# KiCad board ciaa_acc.kicad_pcb (continued)
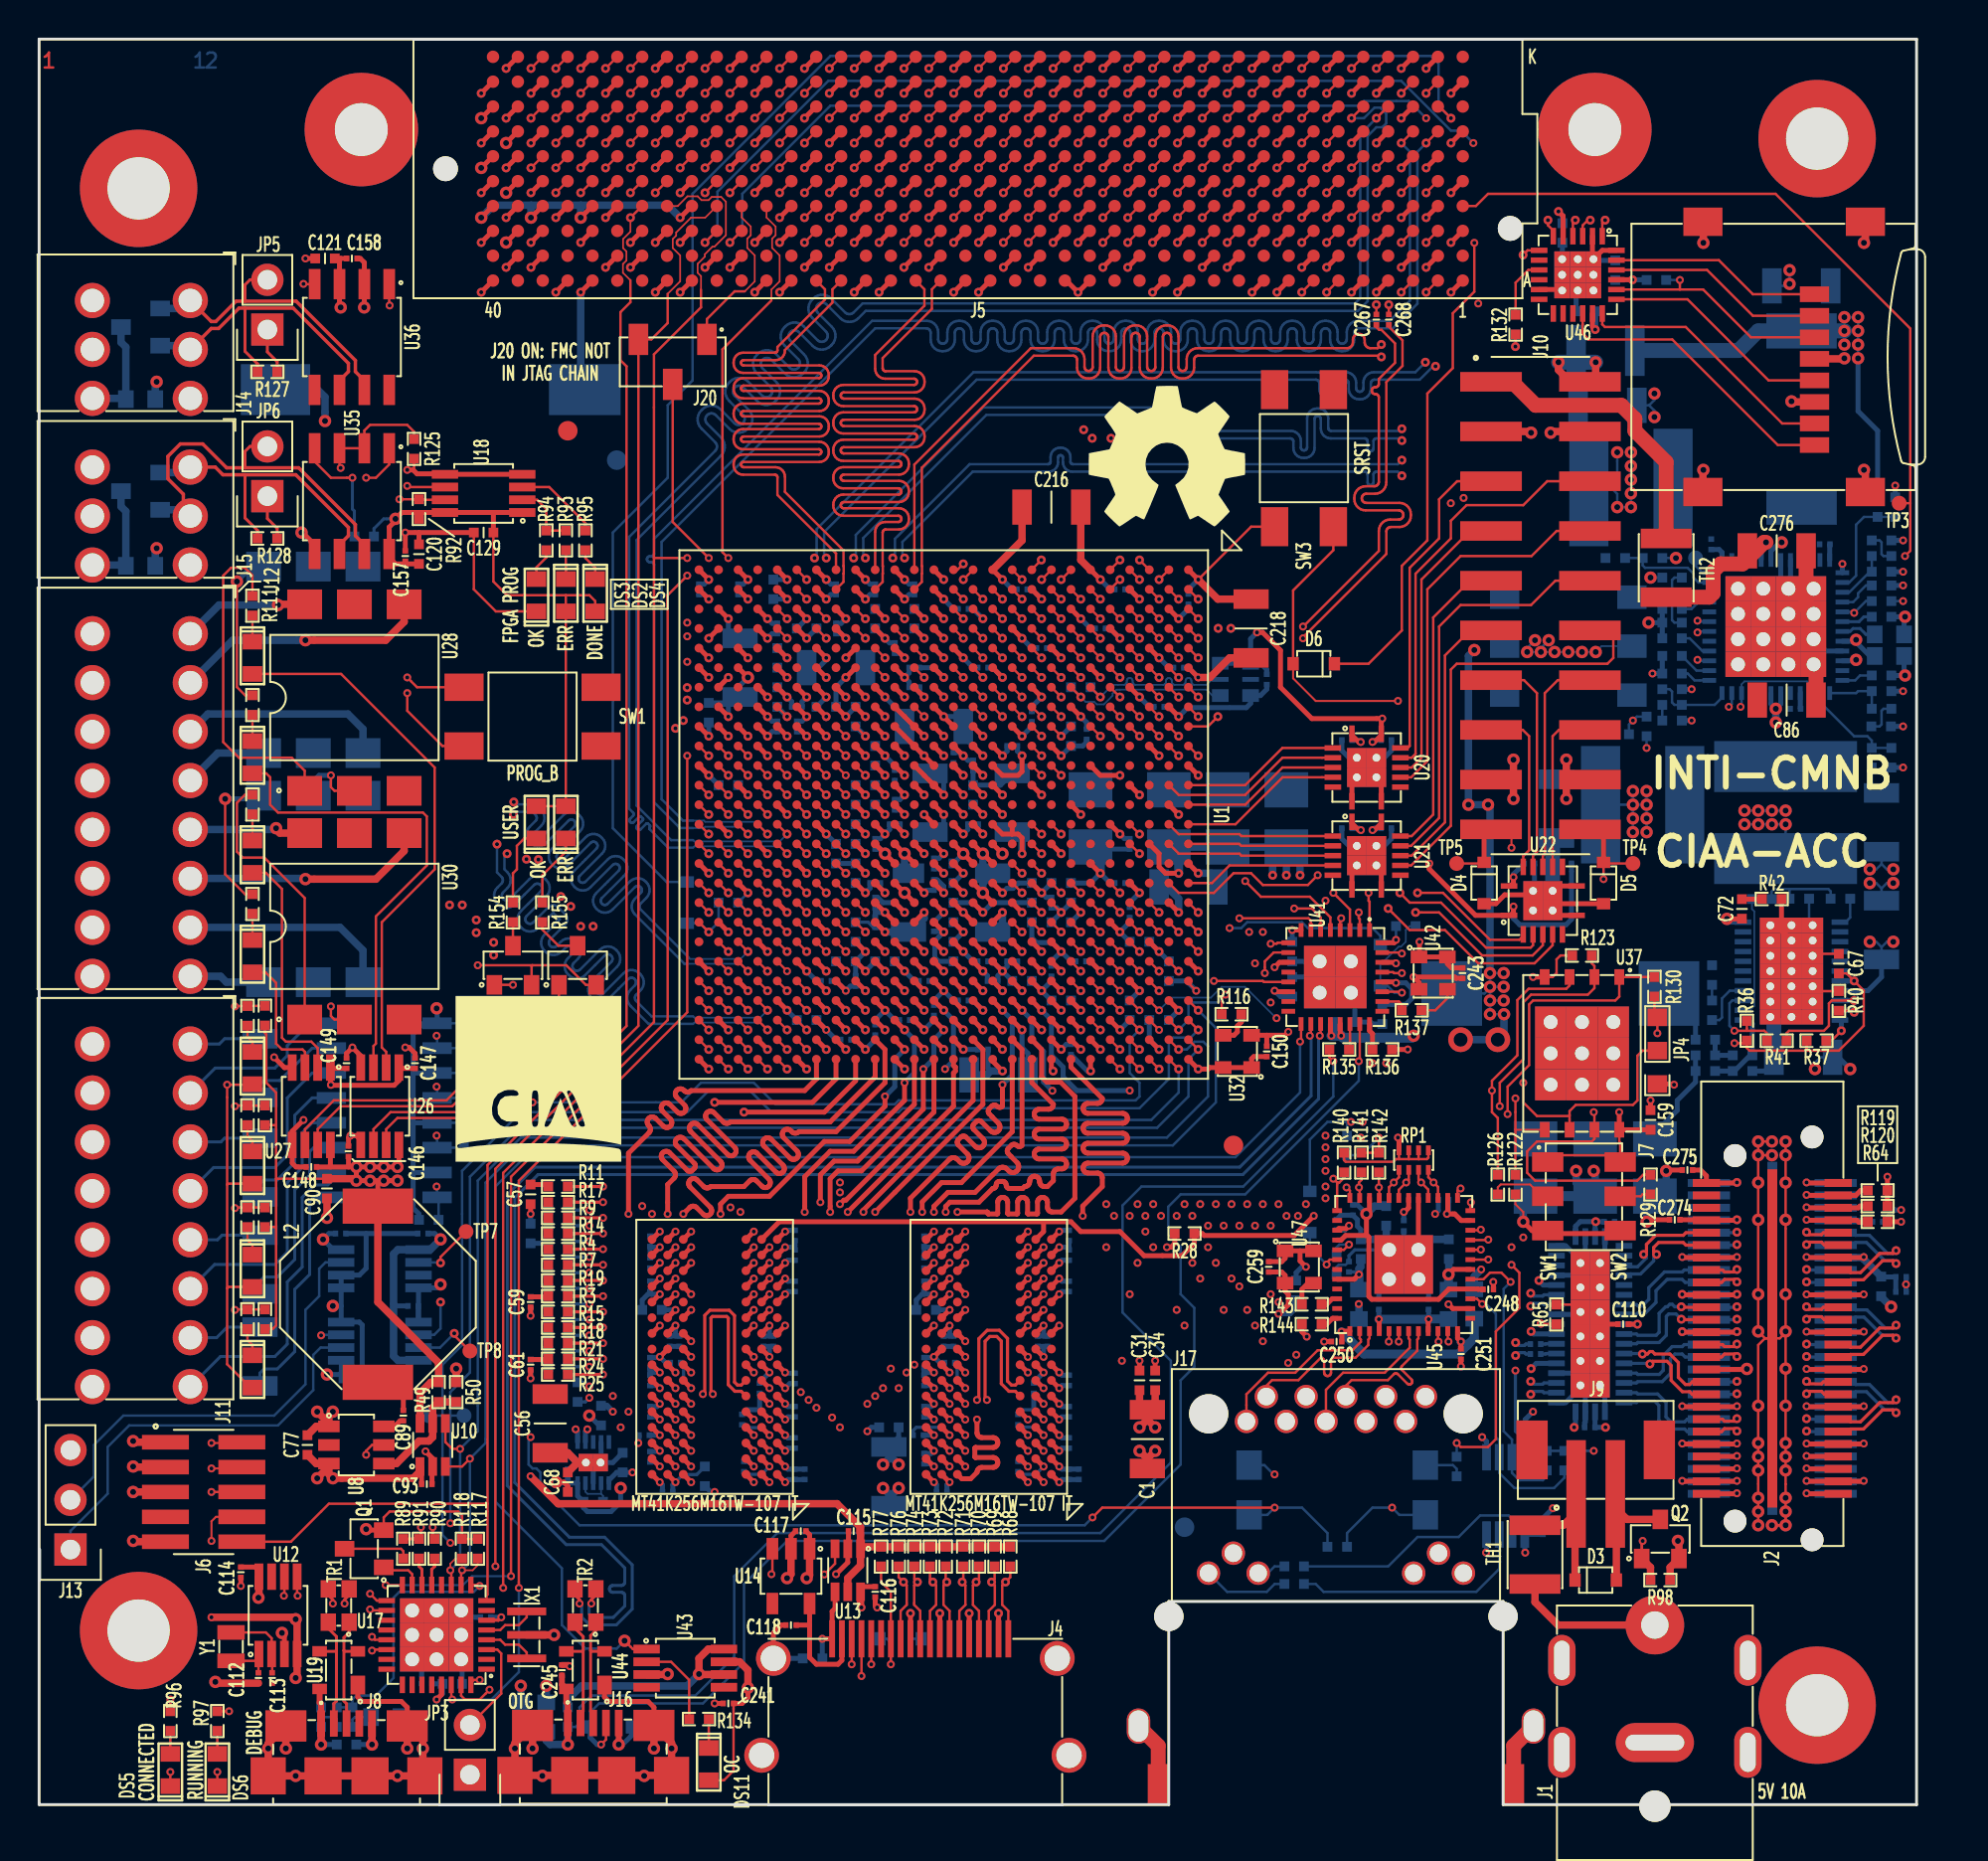
[diagram p0: board, top side]
## Routing (per net, layer and track width the routed paths; a pad name or vN(x,y) marks a point on that pad's centre or on a via; arc(x,y) is an arc through that point) (continued)
  BOT_L12.Sig w0.165: v2(76.18,26.12) 76.33,25.97 76.79,25.97 76.86,26.04 U11.12
/Principal/BANK_112/MGTREFCLK0_P: length 142.5
  TOP_L1.Sig w0.127: U1.U6 v2(43.2,57.57)
  L3.Sig w0.089: 33.1,59.23 33.1,59.23 33.13,59.2 43.17,59.2 43.66,58.7 43.66,58.03 v2(43.2,57.57)
  L3.Sig w0.132: 33.1,59.23 28.72,59.23 23,53.51 22.96,53.48 22.91,53.46 22.86,53.44 22.81,53.44 22.76,53.46 22.72,53.48 22.68,53.51 22.54,53.65 22.45,53.72 22.34,53.77 22.23,53.8 22.11,53.8 22,53.77 21.9,53.72 21.81,53.65 21.64,53.48 21.57,53.39 21.52,53.29 21.49,53.17 21.49,53.06 21.52,52.94 21.57,52.84 21.64,52.75 22.05,52.33 22.05,52.33 22.44,51.94 22.47,51.9 22.49,51.85 22.5,51.8 22.5,51.75 22.49,51.7 22.47,51.65 22.44,51.61 22.32,51.49 22.28,51.46 22.23,51.44 22.18,51.43 22.13,51.43 22.08,51.44 22.03,51.46 21.99,51.49 21.19,52.3 21.1,52.37 20.99,52.42 20.88,52.44 20.76,52.44 20.65,52.42 20.55,52.37 20.45,52.3 20.29,52.13 20.22,52.04 20.17,51.94 20.14,51.82 20.14,51.71 20.17,51.59 20.22,51.49 20.29,51.4 21.09,50.59 21.12,50.55 21.15,50.51 21.16,50.46 21.16,50.41 21.15,50.36 21.12,50.31 21.09,50.27 20.97,50.15 20.93,50.12 20.89,50.1 20.84,50.08 20.78,50.08 20.73,50.1 20.69,50.12 20.65,50.15 19.85,50.95 19.75,51.03 19.65,51.08 19.54,51.1 19.42,51.1 19.31,51.08 19.2,51.03 19.11,50.95 18.95,50.79 18.87,50.7 18.82,50.59 18.8,50.48 18.8,50.36 18.82,50.25 18.87,50.14 18.95,50.05 19.75,49.25 19.78,49.21 19.8,49.16 19.81,49.11 19.81,49.06 19.8,49.01 19.78,48.97 19.75,48.93 19.63,48.81 19.59,48.77 19.54,48.75 19.49,48.74 19.44,48.74 19.39,48.75 19.34,48.77 19.3,48.81 18.5,49.61 18.41,49.68 18.31,49.73 18.19,49.76 18.08,49.76 17.96,49.73 17.86,49.68 17.77,49.61 17.6,49.44 17.53,49.35 17.48,49.25 17.45,49.13 17.45,49.02 17.48,48.9 17.53,48.8 17.6,48.71 17.74,48.57 17.77,48.53 17.79,48.49 17.8,48.44 17.8,48.39 17.79,48.34 17.77,48.29 17.74,48.25 16.64,47.15 16.64,36.94 14.84,35.14 14.84,31.5 18.84,27.5 18.84,21.57 25.18,15.23 56.43,15.23 58.71,17.52 73.7,17.52 74.56,18.38 74.56,25.11 75.08,25.63 76.01,25.63 v2(76.18,25.46)
  BOT_L12.Sig w0.165: v2(76.18,25.46) 76.33,25.6 76.79,25.6 76.86,25.54 U11.11
/Principal/BANK_112/MGTXRX0_N: length 143.6
  TOP_L1.Sig w0.127: U1.AB3 v2(38.2,60.57)
  L3.Sig w0.089: v2(38.2,60.57) 37.82,60.95 33.14,60.95 33.1,60.91
  L3.Sig w0.132: 33.1,60.91 27.81,60.91 14.45,47.56 14.45,46.84 14.44,46.72 14.4,46.61 14.34,46.51 14.25,46.42 14.15,46.36 14.04,46.32 13.92,46.31 13.59,46.31 13.54,46.3 13.49,46.29 13.44,46.26 13.4,46.22 13.38,46.17 13.36,46.12 13.35,46.07 13.36,46.02 13.38,45.97 13.4,45.92 13.44,45.88 13.49,45.85 13.54,45.84 13.59,45.83 15.03,45.83 15.14,45.82 15.26,45.78 15.36,45.72 15.44,45.63 15.5,45.53 15.54,45.42 15.56,45.3 15.56,45.24 15.54,45.12 15.5,45.01 15.44,44.91 15.36,44.82 15.26,44.76 15.14,44.72 15.03,44.71 13.59,44.71 13.54,44.7 13.49,44.69 13.44,44.66 13.4,44.62 13.38,44.57 13.36,44.52 13.35,44.47 13.36,44.42 13.38,44.37 13.4,44.32 13.44,44.28 13.49,44.25 13.54,44.24 13.59,44.23 15.03,44.23 15.14,44.22 15.26,44.18 15.36,44.12 15.44,44.03 15.5,43.93 15.54,43.82 15.56,43.7 15.56,43.64 15.54,43.52 15.5,43.41 15.44,43.31 15.36,43.22 15.26,43.16 15.14,43.12 15.03,43.11 13.59,43.11 13.54,43.1 13.49,43.09 13.44,43.06 13.4,43.02 13.38,42.97 13.36,42.92 13.35,42.87 13.36,42.82 13.38,42.77 13.4,42.72 13.44,42.68 13.49,42.65 13.54,42.64 13.59,42.63 15.03,42.63 15.14,42.62 15.26,42.58 15.36,42.52 15.44,42.43 15.5,42.33 15.54,42.22 15.56,42.1 15.56,42.04 15.54,41.92 15.5,41.81 15.44,41.71 15.36,41.62 15.26,41.56 15.14,41.52 15.03,41.51 14.69,41.51 14.64,41.5 14.59,41.49 14.54,41.46 14.51,41.42 14.48,41.37 14.46,41.32 14.45,41.27 14.45,37.01 12.96,35.52 12.96,29.14 16.76,25.34 16.76,20.34 19.77,17.33 21.5,17.33 24.8,14.03 57.18,14.03 59.34,16.19 70.9,16.19 70.95,16.2 71,16.21 71.04,16.24 71.08,16.28 71.1,16.32 71.12,16.37 71.12,16.42 71.12,16.67 71.13,16.72 71.15,16.76 71.17,16.81 71.21,16.84 71.25,16.87 71.3,16.89 71.35,16.89 71.4,16.89 71.45,16.87 71.49,16.84 71.53,16.81 71.55,16.76 71.57,16.72 71.58,16.67 71.58,16.42 71.58,16.37 71.6,16.32 71.62,16.28 71.66,16.24 71.7,16.21 71.75,16.2 71.8,16.19 71.85,16.2 71.9,16.21 71.94,16.24 71.98,16.28 72,16.32 72.02,16.37 72.03,16.42 72.03,16.67 72.03,16.72 72.05,16.76 72.07,16.81 72.11,16.84 72.15,16.87 72.2,16.89 72.25,16.89 72.3,16.89 72.35,16.87 72.39,16.84 72.43,16.81 72.45,16.76 72.47,16.72 72.47,16.67 72.47,16.42 72.48,16.37 72.5,16.32 72.52,16.28 72.56,16.24 72.6,16.21 72.65,16.2 72.7,16.19 72.75,16.2 72.8,16.21 72.84,16.24 72.88,16.28 72.9,16.32 72.92,16.37 72.92,16.42 72.92,16.67 72.93,16.72 72.95,16.76 72.97,16.81 73.01,16.84 73.05,16.87 73.1,16.89 73.15,16.89 73.2,16.89 73.25,16.87 73.29,16.84 73.33,16.81 73.35,16.76 73.37,16.72 73.38,16.67 73.38,16.42 73.38,16.37 73.4,16.32 73.42,16.28 73.46,16.24 73.5,16.21 73.55,16.2 73.6,16.19 73.65,16.2 73.7,16.21 73.74,16.24 73.78,16.28 73.8,16.32 73.82,16.37 73.83,16.42 73.83,16.67 73.83,16.72 73.85,16.76 73.87,16.81 73.91,16.84 73.95,16.87 74,16.89 74.05,16.89 74.1,16.89 74.15,16.87 74.19,16.84 74.23,16.81 74.25,16.76 74.27,16.72 74.28,16.67 74.28,16.42 74.28,16.37 74.3,16.32 74.32,16.28 74.36,16.24 74.4,16.21 74.45,16.2 74.5,16.19 74.71,16.19 75.38,16.86 75.38,21.21 75.62,21.45 76.01,21.45 v2(76.18,21.62)
  BOT_L12.Sig w0.165: v2(76.18,21.62) 76.33,21.47 76.79,21.47 76.86,21.54 U11.3
/Principal/BANK_112/MGTXRX0_P: length 142.5
  TOP_L1.Sig w0.127: U1.AB4 v2(38.2,59.57)
  L3.Sig w0.089: 33.1,61.23 33.14,61.2 38.25,61.2 38.58,60.86 38.58,59.95 v2(38.2,59.57)
  L3.Sig w0.132: v2(76.18,20.96) 76.01,21.13 75.75,21.13 75.7,21.07 75.7,16.73 74.84,15.87 59.47,15.87 57.32,13.71 24.67,13.71 21.37,17.01 19.63,17.01 16.44,20.2 16.44,25.2 12.64,29 12.64,35.65 14.13,37.14 14.13,41.3 14.14,41.42 14.18,41.53 14.25,41.63 14.33,41.72 14.43,41.78 14.54,41.82 14.66,41.83 14.99,41.83 15.05,41.84 15.1,41.85 15.14,41.88 15.18,41.92 15.21,41.97 15.23,42.02 15.23,42.07 15.23,42.12 15.21,42.17 15.18,42.22 15.14,42.26 15.1,42.29 15.05,42.3 14.99,42.31 13.56,42.31 13.44,42.32 13.33,42.36 13.23,42.42 13.14,42.51 13.08,42.61 13.04,42.72 13.03,42.84 13.03,42.9 13.04,43.02 13.08,43.13 13.14,43.23 13.23,43.32 13.33,43.38 13.44,43.42 13.56,43.43 14.99,43.43 15.05,43.44 15.1,43.45 15.14,43.48 15.18,43.52 15.21,43.57 15.23,43.62 15.23,43.67 15.23,43.72 15.21,43.77 15.18,43.82 15.14,43.86 15.1,43.89 15.05,43.9 14.99,43.91 13.56,43.91 13.44,43.92 13.33,43.96 13.23,44.02 13.14,44.11 13.08,44.21 13.04,44.32 13.03,44.44 13.03,44.5 13.04,44.62 13.08,44.73 13.14,44.83 13.23,44.92 13.33,44.98 13.44,45.02 13.56,45.03 14.99,45.03 15.05,45.04 15.1,45.05 15.14,45.08 15.18,45.12 15.21,45.17 15.23,45.22 15.23,45.27 15.23,45.32 15.21,45.37 15.18,45.42 15.14,45.46 15.1,45.49 15.05,45.5 14.99,45.51 13.56,45.51 13.44,45.52 13.33,45.56 13.23,45.62 13.14,45.71 13.08,45.81 13.04,45.92 13.03,46.04 13.03,46.1 13.04,46.22 13.08,46.33 13.14,46.43 13.23,46.52 13.33,46.58 13.44,46.62 13.56,46.63 13.89,46.63 13.95,46.64 14,46.65 14.04,46.68 14.08,46.72 14.11,46.77 14.13,46.82 14.13,46.87 14.13,47.69 27.67,61.23 33.1,61.23
  BOT_L12.Sig w0.165: v2(76.18,20.96) 76.33,21.1 76.79,21.1 76.86,21.04 U11.2
/Principal/BANK_112/MGTXTX0_N: length 142.5
  TOP_L1.Sig w0.127: U1.AA1 v2(39.2,62.57)
  L3.Sig w0.089: 33.1,62.23 33.14,62.19 38.82,62.19 v2(39.2,62.57)
  L3.Sig w0.132: 33.1,62.23 25.37,62.23 11.04,47.9 11.04,21.8 17.03,15.81 20.67,15.81 24.16,12.31 58.2,12.31 60.11,14.22 75.35,14.22 77.48,16.34 77.48,22.22 76.27,23.43 75.58,23.43 v2(75.41,23.6)
  BOT_L12.Sig w0.165: C108.1 75.94,23.52 75.87,23.45 75.56,23.45 v2(75.41,23.6)
/Principal/BANK_112/MGTXTX0_P: length 142.5
  TOP_L1.Sig w0.127: U1.AA2 v2(39.2,61.57)
  L3.Sig w0.089: 33.1,61.91 33.14,61.95 38.82,61.95 v2(39.2,61.57)
  L3.Sig w0.132: v2(75.41,22.94) 75.58,23.11 76.13,23.11 77.15,22.09 77.15,16.48 75.22,14.54 74.4,14.54 74.35,14.55 74.3,14.56 74.26,14.59 74.22,14.63 74.2,14.67 74.18,14.72 74.17,14.77 74.17,15.04 74.17,15.09 74.15,15.14 74.13,15.18 74.09,15.22 74.05,15.25 74,15.26 73.95,15.27 73.9,15.26 73.85,15.25 73.81,15.22 73.77,15.18 73.75,15.14 73.73,15.09 73.72,15.04 73.72,14.77 73.72,14.72 73.7,14.67 73.68,14.63 73.64,14.59 73.6,14.56 73.55,14.55 73.5,14.54 73.45,14.55 73.4,14.56 73.36,14.59 73.32,14.63 73.3,14.67 73.28,14.72 73.28,14.77 73.28,15.04 73.27,15.09 73.25,15.14 73.23,15.18 73.19,15.22 73.15,15.25 73.1,15.26 73.05,15.27 73,15.26 72.95,15.25 72.91,15.22 72.87,15.18 72.85,15.14 72.83,15.09 72.83,15.04 72.83,14.77 72.82,14.72 72.8,14.67 72.78,14.63 72.74,14.59 72.7,14.56 72.65,14.55 72.6,14.54 59.98,14.54 58.07,12.64 24.3,12.64 20.8,16.13 17.17,16.13 11.36,21.94 11.36,47.77 25.5,61.91 33.1,61.91
  BOT_L12.Sig w0.165: C107.1 75.94,23.02 75.87,23.08 75.56,23.08 v2(75.41,22.94)
/Principal/BANK_500/CAN_N: length 21.8
  TOP_L1.Sig w0.152: 10.51,76.43 10.51,74.23 11.16,73.58 R127.2
  TOP_L1.Sig w0.178: U36.6 15.34,72.73 15.8,73.19 15.8,73.61 12.98,76.43 10.21,76.43 9.17,75.4 8.79,75.4 J14.2
  L3.Sig w0.762: J14.2 J14.2
  BOT_L12.Sig w0.381: J14.2 7.53,74.52 U39.2
/Principal/BANK_500/CAN_P: length 21
  TOP_L1.Sig w0.152: JP5.2 10.77,77.88 10.51,77.62 10.51,76.79
  TOP_L1.Sig w0.178: J14.1 8.79,75.75 9.02,75.75 10.06,76.79 13.13,76.79 16.15,73.76 16.15,73.19 16.61,72.73 U36.7
  L3.Sig w0.762: J14.1 J14.1
  BOT_L12.Sig w0.381: J14.1 7.31,76.42 U39.1
/Principal/BANK_500/ETH_RST: length 21.3
  TOP_L1.Sig w0.127: U1.E23 v2(55.2,40.57)
  L3.Sig w0.107: v2(55.2,40.57) 55.6,40.97 61.3,40.97 67,35.27 v1(67,34.87)
  BOT_L12.Sig w0.127: v1(67,34.87) 66.8,34.87 ; 66.8,34.87 65.8,34.87 64.9,33.97 D9.2 ; 66.8,34.87 R124.1
/Principal/BANK_500/QSPI_CS: length 34.7
  TOP_L1.Sig w0.127: R130.2 U37.1 80.7,41.28 80.5,41.07 76.3,41.07 76.1,40.87 76.1,37.77 75,36.67 v1(75,35.27) ; U1.D26 v2(56.2,37.57)
  L8.Sig w0.107: v2(56.2,37.57) 56.79,38.16 59.49,38.16 59.6,38.27 62,38.27 64.5,35.77 68.2,35.77 68.7,35.27 v1(75,35.27)
/Principal/BANK_500/QSPI_IO0: length 27.8
  TOP_L1.Sig w0.107: U37.5 75.4,34.47
  TOP_L1.Sig w0.127: U1.E25 v2(55.2,38.57) ; R122.1 v1(75.4,36.07)
  L8.Sig w0.107: v1(75.4,36.07) 68.9,36.07 68.4,36.57 64.9,36.57 62.4,39.07 59.8,39.07 59.71,39.16 55.79,39.16 v2(55.2,38.57)
/Principal/BANK_500/QSPI_IO1: length 32.1
  TOP_L1.Sig w0.127: U1.D25 v2(56.2,38.57) ; R123.1 79.3,42.97 79.44,42.84 U37.2 79.44,41.7 79.1,41.37 76.2,41.37 75.8,40.97 75.8,38.07 74.6,36.87 v1(74.6,35.67)
  L8.Sig w0.107: v1(74.6,35.67) 68.8,35.67 68.3,36.17 64.7,36.17 62.2,38.67 59.7,38.67 59.42,38.95 56.58,38.95 v2(56.2,38.57)
/Principal/BANK_500/QSPI_IO2: length 35.3
  TOP_L1.Sig w0.127: U37.3 78.17,41.84 78,41.67 76.08,41.67 75.5,41.09 75.5,38.27 74.2,36.97 v1(74.2,36.47) 74.2,35.37 74.5,35.07 R126.2 ; U1.F24 v2(54.2,39.57)
  L8.Sig w0.107: v2(54.2,39.57) 54.6,39.97 59.8,39.97 60.3,39.47 62.6,39.47 65.1,36.97 68.5,36.97 69,36.47 v1(74.2,36.47)
/Principal/BANK_500/QSPI_IO3: length 37.3
  TOP_L1.Sig w0.127: U1.C26 v2(57.2,37.57) ; R129.1 81.92,32.17 81.62,31.87 76.4,31.87 76,32.27 76,33.37 76.5,33.87 79.3,33.87 79.44,34 U37.7 79.44,35.34 v1(79.4,35.37)
  L8.Sig w0.107: v1(79.4,35.37) 75.9,35.37 75.4,34.87 68.6,34.87 68.1,35.37 64.3,35.37 61.72,37.95 57.58,37.95 v2(57.2,37.57)
/Principal/BANK_500/QSPI_SCK: length 35.6
  TOP_L1.Sig w0.127: U37.6 78.17,35.21 ; 78.17,35.21 78.17,35.42 78.48,35.74 81.4,35.74 81.63,35.97 81.63,38.25 81.89,38.51 JP4.2 ; 78.17,35.21 78.13,35.17 76.5,35.17 75.8,35.87 v1(75.8,36.87) ; U1.F23 v2(54.2,40.57)
  L8.Sig w0.107: v1(75.8,36.87) 69.1,36.87 68.6,37.37 65.3,37.37 62.49,40.18 54.59,40.18 v2(54.2,40.57)
/Principal/BANK_500/RS485_ENA_B: length 52.3
  TOP_L1.Sig w0.127: R125.1 19.15,70.12 18.8,70.47 16.9,70.47 16.61,70.18 U35.2 U35.3 15.34,68.33 v1(15.4,68.27)
  L10.Sig w0.107: v1(15.4,68.27) 15.54,68.13 15.54,25.11 v1(14.4,23.97)
  BOT_L12.Sig w0.127: U33.3 14.42,24 v1(14.4,23.97)
/Principal/BANK_500/RS485_N: length 25.5
  TOP_L1.Sig w0.152: 10.51,68.28 10.51,69.12 10.77,69.37 JP6.2
  TOP_L1.Sig w0.178: U35.7 16.61,64.35 16.15,64.81 16.15,65.38 13.25,68.28 9.57,68.28 8.35,69.5 7.21,69.5 6.58,68.86 6.58,67.72 7.36,66.93 7.36,66.17 J15.2
  L3.Sig w0.762: J15.2 J15.2
  BOT_L12.Sig w0.381: J15.2 7.4,66.13 U40.2
/Principal/BANK_500/RS485_P: length 21.1
  TOP_L1.Sig w0.152: R128.1 11.16,65.07 10.51,65.72 10.51,67.92
  TOP_L1.Sig w0.178: J15.1 8.99,68.31 9.38,67.92 13.11,67.92 15.8,65.23 15.8,64.81 15.34,64.35 U35.6
  L3.Sig w0.762: J15.1 J15.1
  BOT_L12.Sig w0.381: U40.1 7.44,68.03 J15.1
/Principal/BANK_500/UART_485_RX: length 77.3
  TOP_L1.Sig w0.127: v1(16.7,67.77) 17.2,67.77 17.88,68.45 U35.1 ; U1.D24 v2(56.2,39.57)
  L10.Sig w0.107: v1(16.7,67.77) 16.7,39.27 20.1,35.87 v1(25.2,35.87)
  BOT_L12.Sig w0.127: v2(56.2,39.57) 55.7,39.07 55.7,37.37 56.2,36.87 56.2,36.17 56,35.97 43.9,35.97 43.7,35.77 37.6,35.77 36.5,36.87 33.8,36.87 32.8,35.87 v1(25.2,35.87)
/Principal/BANK_500/UART_485_TX: length 83.7
  TOP_L1.Sig w0.127: U35.4 14.07,68.6 14.9,67.77 v1(16,67.77) ; U1.A24 v2(59.2,39.57)
  L10.Sig w0.107: v1(16,67.77) 16,39.37 20,35.37 v1(24.7,35.37)
  BOT_L12.Sig w0.127: v1(24.7,35.37) 33.1,35.37 34.2,36.47 36.3,36.47 37.4,35.37 43.9,35.37 44.1,35.57 56.2,35.57 57.7,37.07 57.7,38.97 57.91,39.18 58.81,39.18 v2(59.2,39.57)
  BOT_L12.Sig w0.152: v1(16,67.77) 16,66.17 16.1,66.07 R121.2
/Principal/BANK_500/UART_EMIO_RX_B: length 22.8
  BOT_L12.Sig w0.127: J13.2 2.8,16.77 2.8,18.37 4.3,19.87 12,19.87 13.6,21.47 13.6,25.27 14.3,25.97 14.3,27.37 14.62,27.7 U34.7
/Principal/BANK_500/UART_EMIO_TX_B: length 21.1
  BOT_L12.Sig w0.127: J13.1 1.6,13.98 3.5,15.88 3.5,18.27 4.6,19.37 12.2,19.37 14,21.17 14,22.97 14.38,23.34 U33.2
/Principal/BANK_500/USB_RST: length 24.6
  TOP_L1.Sig w0.127: U1.E26 v2(55.2,37.57)
  L8.Sig w0.107: v2(55.2,37.57) U1.E26 54.7,38.77 54.4,39.07 54,39.07 53.7,39.37 53.7,44.64 54.13,45.07 60.5,45.07 v1(60.8,44.77)
  BOT_L12.Sig w0.127: v1(60.8,44.77) 61.4,44.77 61.7,45.07 64.5,45.07 64.8,44.77 68.1,44.77 68.5,44.37 D7.2
/Principal/BANK_501/CHS_OTG: length 20.5
  TOP_L1.Sig w0.254: U44.1 28.88,5.5 29.1,5.27 31.1,5.27 31.4,4.97 J16.6
  TOP_L1.Sig w0.381: v3(25.2,2.87) J16.6 24.3,3.14 v3(24.3,2.87) J16.6 25.67,1.5 v3(25.7,1.47) 25.73,1.5 J16.6 J16.6 30.87,1.5 v3(30.9,1.47) 30.92,1.5 J16.6 v3(32.3,2.87) 32.3,3.14 J16.6 v3(31.4,2.87)
/Principal/BANK_501/ETH_LED1: length 14.8
  TOP_L1.Sig w0.127: v1(75.16,26.7) 74.68,27.17 74.1,27.17 73.77,26.84 U45.17
  BOT_L12.Sig w0.127: R148.1 77,16.77 76.8,16.57 75.6,16.57 75.22,16.94 75.22,18.64 74.8,19.07 74.8,26.34 v1(75.16,26.7)
/Principal/BANK_501/ETH_LED2: length 14.1
  TOP_L1.Sig w0.127: v1(73.7,25.57) 73.43,25.84 U45.15
  BOT_L12.Sig w0.127: v1(73.7,25.57) 73.9,25.57 74.4,25.07 74.4,18.77 74.58,18.59 74.58,16.94 75.35,16.17 77.38,16.17 77.9,16.69 R147.1
/Principal/BANK_501/ETH_LEDM: length 1.8
  TOP_L1.Sig w0.127: v1(66.9,28.6) 66.64,28.34 66.3,28.34
  BOT_L12.Sig w0.127: v1(66.9,28.6) 66.41,28.6 66.27,28.46 R146.1
/Principal/BANK_501/ETH_MDC: length 17.6
  TOP_L1.Sig w0.127: v1(66.77,31.52) 66.78,31.52 66.94,31.36 U45.36 ; U1.A20 v2(59.2,43.57)
  L10.Sig w0.107: v1(66.77,31.52) 66.7,31.6 66.7,34.17 65.8,35.07 64.3,35.07 61.82,37.55 61.82,41.35 59.6,43.57 v2(59.2,43.57)
/Principal/BANK_501/ETH_MDIO: length 20.3
  TOP_L1.Sig w0.127: U1.A19 v2(59.2,44.57) ; 66.3,31.78 66.3,30.34 ; 66.3,31.78 66.41,31.78 66.65,32.02 R140.2 ; 66.3,31.78 v1(66.1,31.97)
  L10.Sig w0.107: v1(66.1,31.97) 66.1,34.37 65.8,34.67 64.2,34.67 61.5,37.37 61.5,41.17 59.72,42.95 59.02,42.95 58.8,43.17 58.8,44.17 v2(59.2,44.57)
/Principal/BANK_501/ETH_RX0: length 38.2
  TOP_L1.Sig w0.127: RP1.5 69.45,32.04 v1(69.19,31.78) 68.94,31.54 U45.32 ; U1.F20 v2(54.2,43.57)
  L5.Sig w0.107: v1(65.7,32.97) 65.9,32.77 68.3,32.77 69.19,31.88 v1(69.19,31.78)
  L10.Sig w0.107: v1(65.7,32.97) 64.85,32.97 64.82,32.97 64.8,32.98 64.77,33 64.75,33.02 64.74,33.04 64.73,33.07 64.72,33.09 64.72,33.19 64.72,33.21 64.71,33.24 64.7,33.26 64.68,33.28 64.65,33.3 64.63,33.31 64.6,33.31 64.57,33.31 64.55,33.3 64.52,33.28 64.5,33.26 64.49,33.24 64.48,33.21 64.47,33.19 64.47,32.75 64.47,32.73 64.46,32.7 64.45,32.68 64.43,32.66 64.4,32.64 64.38,32.63 64.35,32.63 64.32,32.63 64.3,32.64 64.27,32.66 64.25,32.68 64.24,32.7 64.23,32.73 64.22,32.75 64.22,33.19 64.22,33.21 64.21,33.24 64.2,33.26 64.18,33.28 64.15,33.3 64.13,33.31 64.1,33.31 64.07,33.31 64.05,33.3 64.02,33.28 64,33.26 63.99,33.24 63.98,33.21 63.97,33.19 63.97,32.75 63.97,32.73 63.96,32.7 63.95,32.68 63.93,32.66 63.9,32.64 63.88,32.63 63.85,32.63 63.82,32.63 63.8,32.64 63.77,32.66 63.75,32.68 63.74,32.7 63.73,32.73 63.72,32.75 63.72,33.19 63.72,33.21 63.71,33.24 63.7,33.26 63.68,33.28 63.65,33.3 63.63,33.31 63.6,33.31 63.57,33.31 63.55,33.3 63.52,33.28 63.5,33.26 63.49,33.24 63.48,33.21 63.47,33.19 63.47,32.75 63.47,32.73 63.46,32.7 63.45,32.68 63.43,32.66 63.4,32.64 63.38,32.63 63.35,32.63 63.32,32.63 63.3,32.64 63.27,32.66 63.25,32.68 63.24,32.7 63.23,32.73 63.22,32.75 63.22,33.19 63.22,33.21 63.21,33.24 63.2,33.26 63.18,33.28 63.15,33.3 63.13,33.31 63.1,33.31 63.07,33.31 63.05,33.3 63.02,33.28 63,33.26 62.99,33.24 62.98,33.21 62.97,33.19 62.97,32.75 62.97,32.73 62.96,32.7 62.95,32.68 62.93,32.66 62.9,32.64 62.88,32.63 62.85,32.63 62.82,32.63 62.8,32.64 62.77,32.66 62.75,32.68 62.74,32.7 62.73,32.73 62.72,32.75 62.72,33.19 62.72,33.21 62.71,33.24 62.7,33.26 62.68,33.28 62.65,33.3 62.63,33.31 62.6,33.31 62.57,33.31 62.55,33.3 62.52,33.28 62.5,33.26 62.49,33.24 62.48,33.21 62.47,33.19 62.47,32.75 62.47,32.73 62.46,32.7 62.45,32.68 62.43,32.66 62.4,32.64 62.38,32.63 62.35,32.63 62.32,32.63 62.3,32.64 62.27,32.66 62.25,32.68 62.24,32.7 62.23,32.73 62.22,32.75 62.22,32.84 62.22,32.87 62.21,32.9 62.2,32.92 62.18,32.94 62.15,32.96 62.13,32.97 62.1,32.97 62,32.97 61.79,33.18 61.76,33.2 61.74,33.21 61.71,33.22 61.68,33.22 61.66,33.21 61.63,33.2 61.61,33.18 61.4,32.98 61.38,32.96 61.36,32.95 61.33,32.94 61.3,32.94 61.27,32.95 61.25,32.96 61.23,32.98 61.21,33 61.2,33.03 61.19,33.05 61.19,33.08 61.2,33.11 61.21,33.13 61.23,33.16 61.81,33.74 61.83,33.76 61.84,33.79 61.85,33.82 61.85,33.85 61.84,33.87 61.83,33.9 61.81,33.92 61.79,33.94 61.77,33.95 61.74,33.96 61.71,33.96 61.68,33.95 61.66,33.94 61.64,33.92 61.05,33.33 61.03,33.31 61,33.3 60.98,33.3 60.95,33.3 60.92,33.3 60.9,33.31 60.87,33.33 60.86,33.35 60.84,33.38 60.84,33.41 60.84,33.43 60.84,33.46 60.86,33.49 60.87,33.51 61.46,34.1 61.48,34.12 61.49,34.14 61.5,34.17 61.5,34.2 61.49,34.23 61.48,34.25 61.46,34.27 61.44,34.29 61.41,34.3 61.39,34.31 61.36,34.31 61.33,34.3 61.31,34.29 61.28,34.27 61.08,34.07 61.06,34.05 61.03,34.04 61,34.03 60.98,34.03 60.95,34.04 60.92,34.05 60.9,34.07 60.88,34.09 60.87,34.12 60.87,34.14 60.87,34.17 60.87,34.2 60.88,34.22 60.9,34.24 61.11,34.45 61.12,34.47 61.14,34.5 61.14,34.52 61.14,34.55 61.14,34.58 61.12,34.6 61.11,34.63 61.09,34.64 61.06,34.66 61.03,34.66 61,34.66 60.98,34.66 60.95,34.64 60.93,34.63 60.64,34.33 60.63,34.34 60.58,34.29 60.57,34.28 60.56,34.27 60.54,34.27 60.53,34.27 60.51,34.27 60.5,34.28 60.48,34.29 60.41,34.36 60.4,34.38 60.39,34.39 60.39,34.41 60.39,34.42 60.39,34.44 60.4,34.45 60.42,34.48 60.42,34.49 60.43,34.51 60.43,34.52 60.42,34.54 60.42,34.55 60.39,34.58 60.38,34.61 60.37,34.64 60.37,34.67 60.38,34.69 60.39,34.72 60.41,34.74 60.61,34.94 60.63,34.97 60.64,34.99 60.65,35.02 60.65,35.05 60.64,35.07 60.63,35.1 60.61,35.12 60.59,35.14 60.57,35.15 60.54,35.16 60.51,35.16 60.48,35.15 60.46,35.14 60.44,35.12 60.23,34.92 60.21,34.9 60.18,34.89 60.16,34.88 60.13,34.88 60.1,34.89 60.08,34.9 60.05,34.92 60.04,34.94 60.02,34.96 60.02,34.99 60.02,35.02 60.02,35.05 60.04,35.07 60.05,35.09 60.26,35.3 60.28,35.32 60.29,35.35 60.29,35.37 60.29,35.4 60.29,35.43 60.28,35.45 60.26,35.48 60.24,35.49 60.21,35.5 60.18,35.51 60.16,35.51 60.13,35.5 60.1,35.49 60.08,35.48 59.88,35.27 59.85,35.25 59.83,35.24 59.8,35.23 59.77,35.23 59.75,35.24 59.72,35.25 59.7,35.27 59.7,39.67 59.3,40.07 59.1,40.07 58.6,40.57 58.6,40.77 57.3,42.07 57.13,42.07 56.7,42.5 56.7,43.64 56.38,43.95 54.58,43.95 v2(54.2,43.57)
/Principal/BANK_501/ETH_RX1: length 38.1
  TOP_L1.Sig w0.127: RP1.6 69.95,31.91 v1(69.82,31.78) 69.44,31.4 U45.31 ; U1.J19 v2(51.2,44.57)
  L5.Sig w0.107: v1(69.82,31.78) 68.43,33.17 66.1,33.17 v1(65.7,33.57)
  L10.Sig w0.107: v1(65.7,33.57) 65.4,33.57 65.37,33.57 65.35,33.58 65.32,33.6 65.3,33.62 65.29,33.64 65.28,33.67 65.28,33.7 65.28,33.78 65.27,33.81 65.26,33.83 65.25,33.86 65.23,33.88 65.2,33.89 65.18,33.9 65.15,33.9 65.12,33.9 65.1,33.89 65.07,33.88 65.05,33.86 65.04,33.83 65.03,33.81 65.03,33.78 65.03,33.52 65.02,33.51 65.02,33.5 65.01,33.49 65.01,33.48 65,33.47 64.99,33.47 64.97,33.47 64.83,33.47 64.81,33.47 64.8,33.47 64.79,33.48 64.79,33.49 64.78,33.5 64.78,33.51 64.78,33.52 64.78,33.78 64.77,33.81 64.76,33.83 64.75,33.86 64.73,33.88 64.7,33.89 64.68,33.9 64.65,33.9 64.62,33.9 64.6,33.89 64.57,33.88 64.55,33.86 64.54,33.83 64.53,33.81 64.53,33.78 64.53,33.7 64.52,33.67 64.51,33.64 64.5,33.62 64.48,33.6 64.45,33.58 64.43,33.57 64.4,33.57 64.37,33.57 64.35,33.58 64.32,33.6 64.3,33.62 64.29,33.64 64.28,33.67 64.28,33.7 64.28,33.78 64.27,33.81 64.26,33.83 64.25,33.86 64.23,33.88 64.2,33.89 64.18,33.9 64.15,33.9 64.12,33.9 64.1,33.89 64.07,33.88 64.05,33.86 64.04,33.83 64.03,33.81 64.03,33.78 64.03,33.7 64.02,33.67 64.01,33.64 64,33.62 63.98,33.6 63.95,33.58 63.93,33.57 63.9,33.57 63.87,33.57 63.85,33.58 63.82,33.6 63.8,33.62 63.79,33.64 63.78,33.67 63.78,33.7 63.78,33.78 63.77,33.81 63.76,33.83 63.75,33.86 63.73,33.88 63.7,33.89 63.68,33.9 63.65,33.9 63.62,33.9 63.6,33.89 63.57,33.88 63.55,33.86 63.54,33.83 63.53,33.81 63.53,33.78 63.53,33.7 63.52,33.67 63.51,33.64 63.5,33.62 63.48,33.6 63.45,33.58 63.43,33.57 63.4,33.57 63.37,33.57 63.35,33.58 63.32,33.6 63.3,33.62 63.29,33.64 63.28,33.67 63.28,33.7 63.28,33.78 63.27,33.81 63.26,33.83 63.25,33.86 63.23,33.88 63.2,33.89 63.18,33.9 63.15,33.9 63.12,33.9 63.1,33.89 63.07,33.88 63.05,33.86 63.04,33.83 63.03,33.81 63.03,33.78 63.03,33.7 63.02,33.67 63.01,33.64 63,33.62 62.98,33.6 62.95,33.58 62.93,33.57 62.9,33.57 62.5,33.57 62.48,33.59 62.45,33.6 62.43,33.61 62.4,33.61 62.37,33.6 62.35,33.59 62.32,33.57 62.12,33.37 62.1,33.35 62.08,33.34 62.05,33.33 62.02,33.33 61.99,33.34 61.97,33.35 61.95,33.37 61.93,33.39 61.92,33.42 61.91,33.44 61.91,33.47 61.92,33.5 61.93,33.53 61.95,33.55 62.52,34.12 62.54,34.15 62.55,34.17 62.56,34.2 62.56,34.23 62.55,34.25 62.54,34.28 62.52,34.3 62.5,34.32 62.48,34.33 62.45,34.34 62.42,34.34 62.39,34.33 62.37,34.32 62.35,34.3 62.15,34.1 62.12,34.08 62.1,34.07 62.07,34.06 62.04,34.06 62.02,34.07 61.99,34.08 61.97,34.1 61.95,34.12 61.94,34.15 61.93,34.17 61.93,34.2 61.94,34.23 61.95,34.26 61.97,34.28 62.17,34.48 62.19,34.5 62.2,34.52 62.21,34.55 62.21,34.58 62.2,34.61 62.19,34.63 62.17,34.65 62.15,34.67 62.12,34.68 62.09,34.69 62.07,34.69 62.04,34.68 62.01,34.67 61.99,34.65 61.79,34.45 61.77,34.44 61.75,34.42 61.72,34.42 61.69,34.42 61.66,34.42 61.64,34.44 61.62,34.45 61.6,34.48 61.59,34.5 61.58,34.53 61.58,34.56 61.59,34.58 61.6,34.61 61.62,34.63 61.82,34.83 61.83,34.85 61.85,34.88 61.85,34.9 61.85,34.93 61.85,34.96 61.83,34.99 61.82,35.01 61.79,35.02 61.77,35.04 61.74,35.04 61.71,35.04 61.69,35.04 61.66,35.02 61.64,35.01 61.44,34.81 61.42,34.79 61.39,34.78 61.36,34.77 61.34,34.77 61.31,34.78 61.28,34.79 61.26,34.81 61.25,34.83 61.23,34.85 61.23,34.88 61.23,34.91 61.23,34.94 61.25,34.96 61.26,34.98 61.46,35.18 61.48,35.21 61.49,35.23 61.5,35.26 61.5,35.29 61.49,35.31 61.48,35.34 61.46,35.36 61.44,35.38 61.42,35.39 61.39,35.4 61.36,35.4 61.33,35.39 61.31,35.38 61.29,35.36 61.09,35.16 61.06,35.14 61.04,35.13 61.01,35.13 60.98,35.13 60.96,35.13 60.93,35.14 60.91,35.16 60.89,35.18 60.88,35.21 60.87,35.24 60.87,35.26 60.88,35.29 60.89,35.32 60.91,35.34 61.11,35.54 61.13,35.56 61.14,35.58 61.14,35.61 61.14,35.64 61.14,35.67 61.13,35.69 61.11,35.71 61.09,35.73 61.06,35.74 61.03,35.75 61.01,35.75 60.98,35.74 60.95,35.73 60.93,35.71 60.73,35.51 60.71,35.5 60.69,35.48 60.66,35.48 60.63,35.48 60.6,35.48 60.58,35.5 60.56,35.51 60.1,35.97 60.1,36 60.11,36.02 60.13,36.05 60.15,36.07 60.17,36.08 60.2,36.09 60.22,36.09 60.46,36.09 60.49,36.1 60.51,36.11 60.54,36.12 60.56,36.14 60.57,36.17 60.58,36.19 60.58,36.22 60.58,36.25 60.57,36.27 60.56,36.3 60.54,36.32 60.51,36.33 60.49,36.34 60.46,36.34 60.22,36.34 60.2,36.35 60.17,36.36 60.15,36.37 60.13,36.39 60.11,36.42 60.1,36.44 60.1,36.47 60.1,40.37 59.4,41.07 58.9,41.07 57.7,42.27 57.7,43.64 57.15,44.19 51.58,44.19 v2(51.2,44.57)
